# Altium PCB PCB.PcbDoc (continued)
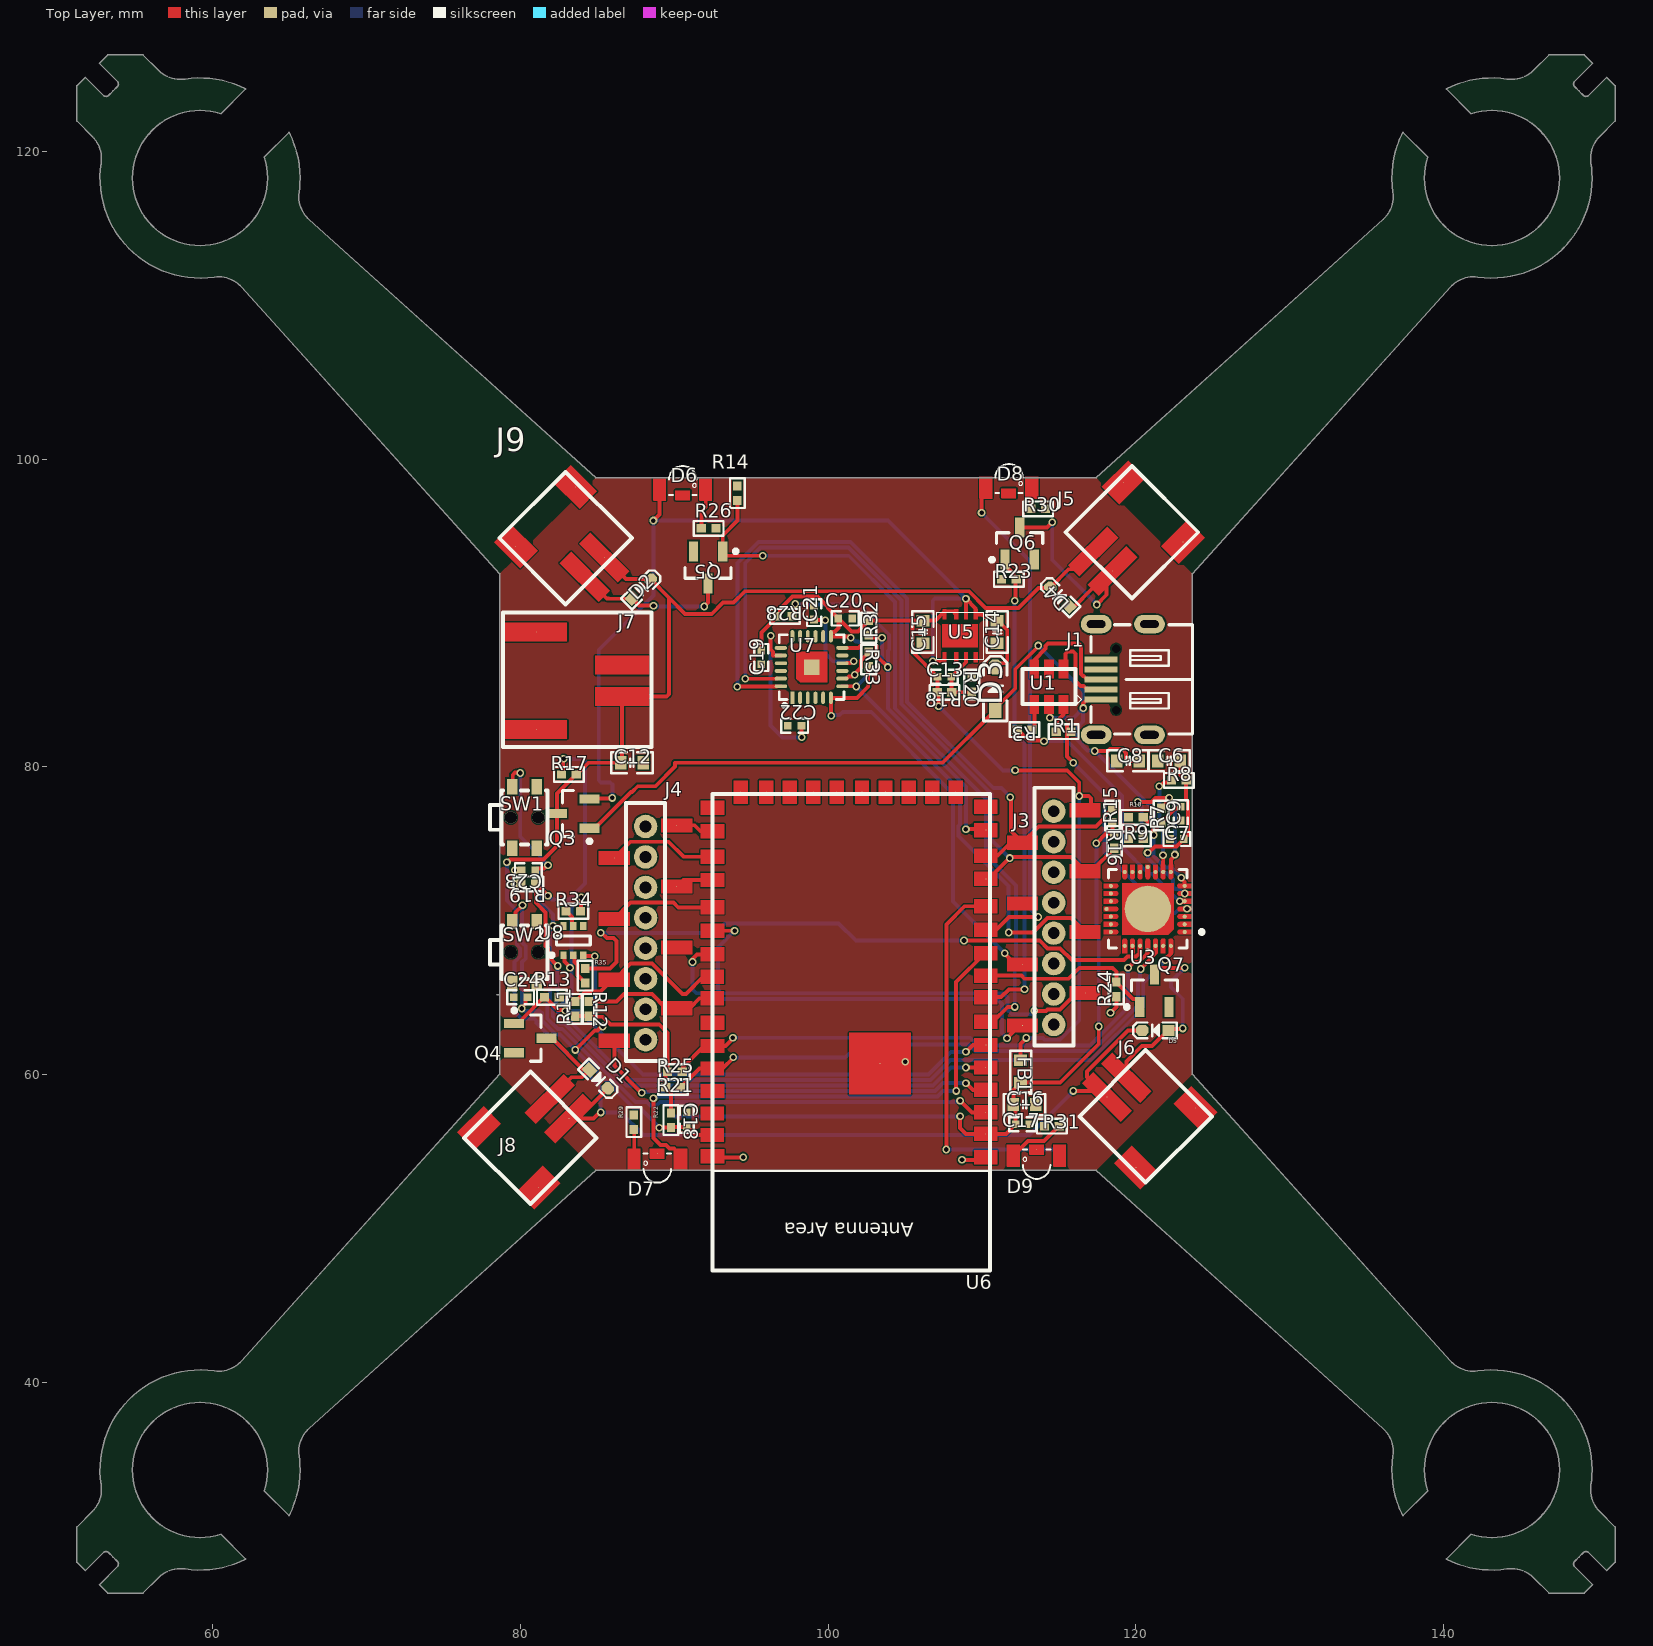
[diagram p0: Top Layer view]
## Footprints (in the part's own frame and the unit in brackets; to place one, negate y for a bottom-side part, rotate by r counter-clockwise, add the part's x,y. Pads: shape width x height; smd on the part's side, far side on the other; paste and mask are expansions set on the pad) (continued)
  Top Layer region: 2.875,-0.15 2.075,-0.15 2.018,-0.139 1.969,-0.106 1.936,-0.057 1.925,0 1.925,0 1.936,0.057 1.969,0.106 2.018,0.139 2.075,0.15 2.075,0.15 2.875,0.15
  Top Layer region: 2.875,0.35 2.075,0.35 2.018,0.361 1.969,0.394 1.936,0.443 1.925,0.5 1.925,0.5 1.936,0.557 1.969,0.606 2.018,0.639 2.075,0.65 2.075,0.65 2.875,0.65
  Top Layer region: 2.875,0.85 2.075,0.85 2.018,0.861 1.969,0.894 1.936,0.943 1.925,1 1.925,1 1.936,1.057 1.969,1.106 2.018,1.139 2.075,1.15 2.075,1.15 2.875,1.15
  Top Layer region: 2.875,1.35 2.075,1.35 2.018,1.361 1.969,1.394 1.936,1.443 1.925,1.5 1.925,1.5 1.936,1.557 1.969,1.606 2.018,1.639 2.075,1.65 2.075,1.65 2.875,1.65
  Top Layer region: -1.65,-2.875 -1.65,-2.075 -1.639,-2.018 -1.606,-1.969 -1.557,-1.936 -1.5,-1.925 -1.5,-1.925 -1.443,-1.936 -1.394,-1.969 -1.361,-2.018 -1.35,-2.075 -1.35,-2.075 -1.35,-2.875
  Top Layer region: -1.15,-2.875 -1.15,-2.075 -1.139,-2.018 -1.106,-1.969 -1.057,-1.936 -1,-1.925 -1,-1.925 -0.943,-1.936 -0.894,-1.969 -0.861,-2.018 -0.85,-2.075 -0.85,-2.075 -0.85,-2.875
  Top Layer region: -0.65,-2.875 -0.65,-2.075 -0.639,-2.018 -0.606,-1.969 -0.557,-1.936 -0.5,-1.925 -0.5,-1.925 -0.443,-1.936 -0.394,-1.969 -0.361,-2.018 -0.35,-2.075 -0.35,-2.075 -0.35,-2.875
  Top Layer region: -0.15,-2.875 -0.15,-2.075 -0.139,-2.018 -0.106,-1.969 -0.057,-1.936 0,-1.925 0,-1.925 0.057,-1.936 0.106,-1.969 0.139,-2.018 0.15,-2.075 0.15,-2.075 0.15,-2.875
  Top Layer region: 0.35,-2.875 0.35,-2.075 0.361,-2.018 0.394,-1.969 0.443,-1.936 0.5,-1.925 0.5,-1.925 0.557,-1.936 0.606,-1.969 0.639,-2.018 0.65,-2.075 0.65,-2.075 0.65,-2.875
  Top Layer region: 0.85,-2.875 0.85,-2.075 0.861,-2.018 0.894,-1.969 0.943,-1.936 1,-1.925 1,-1.925 1.057,-1.936 1.106,-1.969 1.139,-2.018 1.15,-2.075 1.15,-2.075 1.15,-2.875
  Top Layer region: 1.35,-2.875 1.35,-2.075 1.361,-2.018 1.394,-1.969 1.443,-1.936 1.5,-1.925 1.5,-1.925 1.557,-1.936 1.606,-1.969 1.639,-2.018 1.65,-2.075 1.65,-2.075 1.65,-2.875
  Top Layer region: 1.65,2.875 1.65,2.075 1.639,2.018 1.606,1.969 1.557,1.936 1.5,1.925 1.5,1.925 1.443,1.936 1.394,1.969 1.361,2.018 1.35,2.075 1.35,2.075 1.35,2.875
  Top Layer region: 1.15,2.875 1.15,2.075 1.139,2.018 1.106,1.969 1.057,1.936 1,1.925 1,1.925 0.943,1.936 0.894,1.969 0.861,2.018 0.85,2.075 0.85,2.075 0.85,2.875
  Top Layer region: 0.65,2.875 0.65,2.075 0.639,2.018 0.606,1.969 0.557,1.936 0.5,1.925 0.5,1.925 0.443,1.936 0.394,1.969 0.361,2.018 0.35,2.075 0.35,2.075 0.35,2.875
  Top Layer region: -0.85,2.875 -0.85,2.075 -0.861,2.018 -0.894,1.969 -0.943,1.936 -1,1.925 -1,1.925 -1.057,1.936 -1.106,1.969 -1.139,2.018 -1.15,2.075 -1.15,2.075 -1.15,2.875
  Top Layer region: -1.35,2.875 -1.35,2.075 -1.361,2.018 -1.394,1.969 -1.443,1.936 -1.5,1.925 -1.5,1.925 -1.557,1.936 -1.606,1.969 -1.639,2.018 -1.65,2.075 -1.65,2.075 -1.65,2.875
  Top Layer region: -1.675,1.325 -1.325,1.675 1.675,1.675 1.675,-1.675 -1.675,-1.675 -1.675,1.325
  silkscreen extent -3.63,-2.55 2.55,2.55, body extent -2.98,-2.97 2.98,2.98, height 0.25
L0603 [mm] "0603贴片叠层电感"
  rect 0.75x0.85 smd: 1(-0.725,0) 2(0.725,0)
  silkscreen extent -1.35,-0.69 1.35,0.69, body extent -0.8,-0.4 0.8,0.4, height 0.8
LED3010-S [mil]
  round 1 smd: 1(-59,15) 2(59,15) 3(0,0)
  Top Layer region: -43.25,42.56 -43.25,-12.56 -74.75,-12.56 -74.75,42.56
  Top Layer region: 43.25,42.56 74.75,42.56 74.75,-12.56 43.25,-12.56
  Top Layer region: -17.72,11.81 17.72,11.81 17.72,-11.81 -17.72,-11.81
  Top Layer lines w1.97: -74.75,-12.56 -43.25,-12.56 -43.25,42.56 -74.75,42.56 -74.75,-12.56 ; -17.72,-11.81 -17.72,11.81 17.72,11.81 17.72,-11.81 -17.72,-11.81 ; 43.25,-12.56 43.25,42.56 74.75,42.56 74.75,-12.56 43.25,-12.56
  silkscreen extent -35,0 35,75
ONSC-SOT-363-6-419B-02_W_V [mm] "SOT23, 6-Leads, Body 2x1.25mm, Pitch 0.65mm"
  rect 0.5x0.4 smd: 1(-0.95,0.65) 2(-0.95,0) 3(-0.95,-0.65) 4(0.95,-0.65) 5(0.95,0) 6(0.95,0.65)
  silkscreen extent -1.07,-1.1 0.3,1.52, body extent -0.63,-1 0.63,1, height 1.1
"QFN24 4x4_L" [mm] "24脚，长x宽x高：4x4x1mm，脚距：0.5mm"
  rect 0.25x0.8 smd: 1(-1.25,-2)
  oval 0.25x0.8 smd: 2(-0.75,-2) 3(-0.25,-2) 4(0.25,-2) 5(0.75,-2) 6(1.25,-2) 13(1.25,2) 14(0.75,2) 15(0.25,2) 16(-0.25,2) 17(-0.75,2) 18(-1.25,2)
  oval 0.8x0.25 smd: 7(2,-1.25) 8(2,-0.75) 9(2,-0.25) 10(2,0.25) 11(2,0.75) 12(2,1.25) 19(-2,1.25) 20(-2,0.75) 21(-2,0.25) 22(-2,-0.25) 23(-2,-0.75) 24(-2,-1.25)
  rect 1x1 smd: 25(0,0)
  Top Layer region: -1,1 1,1 1,-1 -0.75,-1 -1,-0.75
  silkscreen extent -2.11,-2.6 2.11,2.11, body extent -2.01,-2.01 2.01,2.01, height 1.03
R0402_M [mm] "1/16W贴片电阻"
  rect 0.6x0.55 smd: 1(-0.475,0) 2(0.475,0)
  silkscreen extent -0.97,-0.48 0.97,0.48, body extent -0.5,-0.25 0.5,0.25, height 0.3
SMG2205-ADJ [mil]
  round 1 smd: 1(40,55) 2(15,55) 3(-10,55) 4(-40,55) 5(40,-55) 6(15,-55) 7(-10,-55) 8(-40,-55) 9(0,0)
  Top Layer region: 10.28,-41.71 19.72,-41.71 19.72,-68.29 10.28,-68.29
  Top Layer region: -14.72,-41.71 -5.28,-41.71 -5.28,-68.29 -14.72,-68.29
  Top Layer region: -45.28,29.53 45.28,29.53 45.28,-29.53 -45.28,-29.53
  Top Layer region: -44.72,67.82 -44.72,42.19 -35.28,42.19 -35.28,67.82
  Top Layer region: -14.72,67.82 -14.72,42.19 -5.28,42.19 -5.28,67.82
  Top Layer region: 35.28,67.82 35.28,42.19 44.72,42.19 44.72,67.82
  Top Layer region: 10.28,67.82 10.28,42.19 19.72,42.19 19.72,67.82
  Top Layer region: -44.72,-41.71 -35.28,-41.71 -35.28,-68.29 -44.72,-68.29
  Top Layer region: 35.28,-41.71 44.72,-41.71 44.72,-68.29 35.28,-68.29
  silkscreen extent -60,-60 60,60
SOD-323 [mm] "1.8x1.3X0.9mm（长宽高，不包括引脚）联系卖家 免费人工查找封装"
  rect 1x0.8 smd: 1(-1.4,0)
  oct 1x0.8 smd: 2(1.4,0)
  silkscreen extent -2.11,-0.76 2.11,0.76, body extent -1.32,-0.65 1.32,0.65, height 0.95
SOD-523 [mm] "1.2x0.8X0.6mm（长宽高，不包括引脚）"
  rect 0.8x0.7 smd: 1(-0.85,0)
  oct 0.8x0.7 smd: 2(0.85,0)
  silkscreen extent -1.4,-0.51 1.45,0.51, body extent -0.8,-0.4 0.8,0.4, height 0.65
SOT-23-3 [mm] "SOT23, 3-Leads, Body 2.9x1.3mm, Pitch 0.95mm, Lead Span 2.4mm, IPC Medium Density"
  rect 0.6x1.3 smd: 1(-0.95,-1.05) 2(0.95,-1.05) 3(0,1.05)
  silkscreen extent -1.92,-1.18 1.5,0.7, body extent -1.5,-1.2 1.5,1.2, height 1.05
SW-SMD-3.5*3.0_4P [mm]
  rect 1x0.7 smd mask+0.051: 1(2,-0.8) 2(2,0.8) 3(-2,0.8) 4(-2,-0.8)
  round 0.8 hole 0.8 unplated mask+0: 5(0,-0.9) 6(0,0.9)
  silkscreen extent -1.75,-1.5 1.75,2.25, body extent -2.3,-1.51 2.3,2.24, height 1.33
USB2.0_MICRO-B_5 [mm] "micro型USB ，6.7*7.5*2.5mm封装库来自淘宝ID:黄晶宝石"
  rect 0.381x2.15 smd: 1(-1.3,3.16) 2(-0.65,3.16) 3(0,3.16) 4(0.65,3.16) 5(1.3,3.16)
  oval 1.2x2 hole 0.5 slot 1.2 at 90 deg: 6(-3.6,3.47) 7(3.6,3.47) 8(-3.6,0) 9(3.6,0)
  round 0 hole 0.55 unplated: 10(-2,2.17) 11(2,2.17)
  silkscreen extent -3.56,-2.79 3.56,4.81, body extent -3.98,-2.75 3.99,3.95, height 2.79
USBLC6-2SC6 [mil]
  round 1 smd: 1(34.8,45) 2(-2.6,45) 3(-40,45) 4(-40,-45.55) 5(-2.6,-45.55) 6(34.8,-45.55)
  Top Layer region: 9.21,68.62 9.21,21.38 -14.41,21.38 -14.41,68.62
  Top Layer region: 9.21,-21.93 9.21,-69.17 -14.41,-69.17 -14.41,-21.93
  Top Layer region: 46.61,68.62 46.61,21.38 22.99,21.38 22.99,68.62
  Top Layer region: -28.19,68.62 -28.19,21.38 -51.81,21.38 -51.81,68.62
  Top Layer region: -28.19,-21.93 -28.19,-69.17 -51.81,-69.17 -51.81,-21.93
  Top Layer region: 46.61,-21.93 46.61,-69.17 22.99,-69.17 22.99,-21.93
  silkscreen extent -70,-45 65,45

## Part data
C6 C7 C8 C9 C12 C13 C14 C15 C16 C17 C18 C19 C20 C21 C22 C23 C24: library part C, "贴片电容/MLCC电容", BOM名称=无极性贴片电容, 联系下单店铺卖家 免费帮你查找封装="联系下单店铺卖家 免费技术指导"
D1 D2 D4 D5: "开关二极管", BOM名称=高速开关二极管, 当前库版本V2024.5.31，下一版本发布时间2024年8月份 @淘宝卖家:黄晶宝石=最新版本发布网址https://item.taobao.com/item.htm?id=566775463719
D3: library part D-Schottky, "肖特基二极管", 当前库版本V2024.5.31，下一版本发布时间2024年8月份 @淘宝卖家:黄晶宝石=最新版本发布网址https://item.taobao.com/item.htm?id=566775463719
D6 D7 D8 D9: library part 发光二极管, "LED", 当前库版本V2024.5.31，下一版本发布时间2024年8月份 @淘宝卖家:黄晶宝石=最新版本发布网址https://item.taobao.com/item.htm?id=566775463719
FB1: library part FB, "贴片磁珠", BOM名称=直插磁珠, 联系下单店铺卖家 免费帮你查找封装="联系下单店铺卖家 免费技术指导"
J1: library part USB3.1_Micro-B, "USB3.1_Micro-B母座", 当前库版本V2024.5.31，下一版本发布时间2024年8月份 @淘宝卖家:黄晶宝石=最新版本发布网址https://item.taobao.com/item.htm?id=566775463719
J3 J4: library part "Header 8", "8P接插件", 封装库来自淘宝卖家：黄晶宝石=获取最新版本https://shop463601444.taobao.com, 联系下单店铺卖家 免费帮你查找封装="联系下单店铺卖家 免费技术支持"
J5 J6 J7 J8 J9: library part "Header 2", "2P接插件", BOM名称=2P接插件, 封装库来自淘宝卖家：黄晶宝石=获取最新版本https://shop463601444.taobao.com, 联系下单店铺卖家 免费帮你查找封装="联系下单店铺卖家 免费技术支持"
Q3: "P沟道 30V/4.2A", BOM名称=场效应管, 参数="P沟道 30V/4.2A", 当前库版本V2024.2.3 @淘宝卖家:黄晶宝石=最新版本发布https://item.taobao.com/item.htm?id=566775463719, 联系下单店铺卖家 免费帮你查找封装="联系下单店铺卖家 免费技术支持"
Q4 Q5 Q6 Q7: library part SI2302, BOM名称=N沟道场效应管, 当前库版本V2024.2.3 @淘宝卖家:黄晶宝石=最新版本发布https://item.taobao.com/item.htm?id=566775463719, 联系下单店铺卖家 免费帮你查找封装="联系下单店铺卖家 免费技术支持"
R1 R3 R7 R8 R9 R10 R11 R12 R13 R14 R15 R16 R17 R18 R19 R20 R21 R22 R23 R24 R25 R26 R28 R29 R30 R31 R32 R33 R34 R35: library part R, "贴片电阻", BOM名称=贴片电阻, 联系下单店铺卖家 免费帮你查找封装="联系下单店铺卖家 免费技术指导"
SW1 SW2: library part SW-PB4, "4脚微动开关", BOM名称=直插6x6轻触开关, 联系下单店铺卖家 免费技术支持="联系下单店铺卖家 免费帮你查找封装"
U3: library part CP2102-GMR, "USB转UART 桥接控制器", 封装库来自淘宝卖家：黄晶宝石="其他店铺购入均为盗版封装库，无更新权益，请立即申请退款，联系卖家：黄晶宝石 获取现金奖励200~5000元"
U5: "Vout=1.2(1+Ra/Rb)=3.3V"
U6: library part ESP32-S2
U7: "三轴加速度+三轴陀螺仪", BOM名称=MPU6050, 封装库来自淘宝卖家：黄晶宝石=其他店铺购入均为盗版封装库，无售后更新权益，请立即申请退款，退款现金奖励200~1000元
U8: library part CMP-013-00036-4, "ON Semi BC847BDW1T1G Dual NPN Bipolar Transistor; 0.1 A; 45 V; 6-Pin SC-88", Case/Package=SOT-363-6, Frequency=100MHz, Max Operating Temperature=150°C, Min Operating Temperature=-55°C, Pins=6

## Via types
v1: diameter 0.5, hole 0.3, Top Layer to Bottom Layer, 102 vias

## Nets (pads, with @x,y where several pads share a name; then routed paths per layer and width w, separated by ;. In a path a pad name is that pad's centre, name@x,y a point inside that pad or via, vN(x,y) a via of type N, cw(c..) or ccw(c..) an arc to the next point about the centre after c; other vN are vias at no path point)
ADC_BAT: R17.1 R19.2 U6.5 | length 54.4
  Top Layer w0.254: v1(81.788,71.628) 81.78,71.628 81.018,72.39 R19.2 80.993,71.187 81.641,70.539 81.641,68.355 81.791,68.205 81.791,67.688 v1(82.423,67.056) ; R17.1 82.757,79.582 82.757,80.471 v1(82.804,80.518) ; v1(108.966,60.452) U6.5
  Bottom Layer w0.254: v1(81.788,71.628) 82.042,71.374 83.185,71.374 83.467,71.656 83.467,71.696 84.161,72.39 84.179,72.39 84.201,72.412 84.201,80.369 84.052,80.518 v1(82.804,80.518) ; v1(82.423,67.056) 82.423,64.802 82.1,64.479 82.1,63.791 82.587,63.304 82.866,63.304 86.888,59.282 106.819,59.282 107.989,60.452 v1(108.966,60.452)
AUX_SCL: J3.5 R32.2 U7.7 | length 31.7
  Top Layer w0.254: U7.7 101.834,85.237 v1@101.854,85.217 ; R32.2 102.648,88.548 102.796,88.4 102.821,88.4 102.829,88.392 v1(103.505,88.392) ; v1(111.745,69.23) 113.323,69.23 114.271,70.179 115.788,70.179 J3.5
  Bottom Layer w0.254: v1(103.505,88.392) 103.505,86.888 v1(101.844,85.227) 108.585,78.486 108.585,76.24 108.489,76.144 108.489,75.504 111.745,72.248 v1(111.745,69.23)
AUX_SDA: J3.6 R33.2 U7.6 | length 28.6
  Top Layer w0.254: v1(100.203,83.312) 100.203,83.943 100.185,83.961 100.185,84.485 U7.6 101.886,84.487 102.616,85.217 102.616,86.476 R33.2 ; v1@111.506,67.818 112.18,67.144 J3.6
  Bottom Layer w0.254: v1(100.203,83.312) 100.25,83.359 100.754,83.359 100.961,83.566 102.812,83.566 108.135,78.243 108.135,71.238 v1(111.498,67.875)
BUZ_1: J3.8 U6.33 | length 27.6
  Top Layer w0.254: v1(91.186,67.31) 91.186,67.513 91.48,67.807 U6.33 ; v1(111.633,62.357) 112.458,63.182 J3.8
  Bottom Layer w0.254: v1(91.186,67.31) 91.186,65.532 91.44,65.278 92.59,65.278 92.971,64.897 110.998,64.897 111.31,64.585 111.31,62.68 v1(111.633,62.357)
BUZ_2: J3.7 U6.32 | length 31.2
  Top Layer w0.254: U6.32 v1@93.853,69.342 ; v1(113.411,64.135) 114.171,64.135 114.271,64.235 115.087,64.235 116.144,65.291 J3.7
  Bottom Layer w0.254: v1(93.924,69.346) 92.837,68.259 92.837,65.532 93.091,65.278 111.379,65.278 111.664,64.993 111.664,64.191 111.943,63.912 113.188,63.912 v1(113.411,64.135)
CP_DTR: R34.1 U3.28 U8.1 | length 56.7
  Top Layer w0.254: U8.1 82.862,67.684 82.862,67.356 83.222,66.996 v1(83.222,66.929) ; R34.1 83.931,70.628 83.931,71.485 v1(83.947,71.501) ; v1(121.92,67.437) 121.92,67.504 122.287,67.871 122.287,68.36 U3.28
  Bottom Layer w0.254: v1(83.222,66.929) v1@83.312,66.929 ; v1(83.947,71.501) 83.312,70.866 v1@83.312,66.929 ; v1(121.92,67.437) 121.92,67.375 120.496,65.951 120.496,64.337 117.088,60.929 107.966,60.929 106.673,59.636 87.034,59.636 83.012,63.658 82.733,63.658 82.454,63.937 82.454,64.333 83.312,65.191 v1@83.312,66.929
CP_RTS: R35.2 U3.24 U8.4 | length 41.5
  Top Layer w0.254: R35.2 85.819,66.896 86.233,67.31 86.233,68.685 86.053,68.865 85.634,68.865 85.284,69.215 v1(85.217,69.215) ; v1(108.839,68.707) 113.765,68.707 114.275,68.197 115.091,68.197 115.849,67.439 119.249,67.439 119.471,67.661 120.034,67.661 120.269,67.896 120.269,68.072
  Bottom Layer w0.254: v1(85.217,69.215) 85.241,69.191 92.65,69.191 93.282,69.823 100.692,69.823 101.807,68.707 v1(108.839,68.707)
CP_RXD: R25.1 U3.25 U6.37 | length 35.8
  Top Layer w0.254: R25.1 90.551,60.206 90.551,60.452 91.948,61.849 U6.37 93.345,61.849 v1@93.853,62.357 ; v1(119.507,66.929) 119.885,67.307 120.181,67.307 120.398,67.524 120.427,67.524 120.644,67.741 ; 120.644,67.743 120.787,67.886 120.787,68.085 U3.25
  Bottom Layer w0.254: v1(93.815,62.385) 109.224,62.385 109.729,61.88 117.038,61.88 119.507,64.349 v1(119.507,66.929)
CP_TXD: R21.1 U3.26 U6.38 | length 36.2
  Top Layer w0.254: R21.1 90.416,59.157 91.642,60.383 U6.38 93.149,60.383 v1@93.853,61.087 ; v1(120.335,66.856) 120.335,66.871 120.998,67.534 120.998,67.596 121.29,67.888
  Bottom Layer w0.254: v1(93.839,61.11) 101.117,61.11 101.952,61.945 109.164,61.945 109.583,61.526 117.184,61.526 120.142,64.484 120.142,66.098 120.288,66.244 120.288,66.809 v1(120.335,66.856)
ESP_EN: C18.2 C24.2 R22.1 SW2.2 U6.41 U8.3 | length 33.2
  Top Layer w0.254: SW2.2 79.687,70.168 79.687,70.543 v1(80.137,70.993) ; v1(80.091,64.286) 80.091,64.353 80.337,64.599 80.337,64.901 C24.2 ; v1(83.566,61.595) 84.834,62.863 85.022,62.863 85.277,63.119 v1(85.344,63.119) ; U8.3 84.155,67.691 v1(84.836,67.691) ; v1@89.06,56.548 R22.1 89.836,56.595 90.758,56.595 C18.2 91.382,56.065 U6.41
  Bottom Layer w0.254: v1(80.091,64.286) 80.114,64.309 80.114,67.308 80.345,67.539 80.345,68.351 80.114,68.582 80.114,70.97 v1(80.137,70.993) ; v1@80.137,64.262 80.264,64.135 81.258,64.135 81.392,64.001 81.392,63.498 82.294,62.596 82.572,62.596 87.325,57.843 87.733,57.843 v1(89.033,56.543) ; v1(84.836,67.691) 84.836,63.627 v1(85.344,63.119)
ESP_IO0: C23.2 SW1.2 U6.3 U8.6 | length 51.5
  Top Layer w0.254: SW1.2 79.502,78.746 79.502,79.48 79.651,79.629 79.968,79.629 v1(79.996,79.601) ; C23.2 81.091,73.402 81.529,73.402 81.723,73.596 v1(81.789,73.596) ; v1(82.118,69.666) 82.122,69.661 82.785,69.661 U8.6 ; v1(108.585,58.293) 109.347,57.531 U6.3
  Bottom Layer w0.254: v1@80.01,79.502 79.991,79.483 79.991,75.466 81.289,74.168 81.289,74.096 v1(81.789,73.596) ; v1@81.661,73.533 81.28,73.152 81.28,71.247 82.112,70.415 v1@82.112,69.666 ; v1(82.118,69.666) v1@82.112,69.666 ; v1(108.585,58.293) 108.538,58.246 108.364,58.246 108.315,58.197 89.067,58.197 88.844,57.974 88.448,57.974 88.225,58.197 87.472,58.197 82.719,62.95 82.44,62.95 81.746,63.644 81.746,64.626 81.915,64.795 81.915,69.469 v1@82.112,69.666
EXT_IO1: J4.8 U6.4 | length 27
  Top Layer w0.254: J4.8 86.106,60.579 v1(87.884,58.801) ; v1(108.966,59.436) 108.98,59.436 109.419,58.997 U6.4
  Bottom Layer w0.254: v1(87.884,58.801) 87.931,58.848 88.368,58.848 88.448,58.928 106.966,58.928 107.474,59.436 v1(108.966,59.436)
GND: C6.1 C7.1 C8.1 C9.1 C12.1 C14.1 C15.1 C16.1 C17.1 C18.1 C19.1 C20.1 C21.1 C22.2 C23.1 C24.1 J1.5 J1.6 J1.7 J1.8 J1.9 J3.4 J4.5 J7.2 Q4.2 Q5.2 Q6.2 Q7.2 R9.1 R10.1 R13.1 R14.1 R19.1 R20.1 R23.1 R24.1 R26.2 R29.2 R30.2 R31.2 SW1.4 SW2.4 U1.2 U3.3 U3.29 U5.7 U5.9 U6.1 U6.26 U6.42 U6.43 U7.1 U7.9 U7.11 U7.18 | length 4.8
  Top Layer w0.254: U6.42 92.557,54.61 v1(94.488,54.61) ; v1(108.709,54.448) 110.094,54.448 U6.1 ; v1(118.364,64.008) 118.745,64.389 R24.1
  other v1: 105.029,60.833 79.598,72.39 79.643,73.279
I2C0_SCL: J3.3 R16.2 U6.13 U7.23 | length 51.1
  Top Layer w0.254: v1(94.615,85.725) 96.65,85.725 U7.23@96.66,85.735 ; U6.13 110.432,72.713 v1@111.76,74.041 ; v1(111.811,74.068) 111.877,74.068 111.951,74.141 115.788,74.141 J3.3 117.125,73.216 R16.2
  Bottom Layer w0.254: v1(94.615,85.725) 94.615,93.258 95.613,94.256 101.324,94.256 104.775,90.805 104.775,84.074 110.622,78.227 110.622,75.256 v1(111.811,74.068)
I2C0_SDA: J3.2 R15.2 U6.14 U7.24 | length 52.8
  Top Layer w0.254: v1(94.107,85.217) 96.642,85.217 96.662,85.237 U7.24 ; U6.14 111.037,74.226 111.88,75.069 J3.2 ; v1@111.887,77.978 111.887,75.831 J3.2 ; R15.2 117.94,76.759 117.94,76.639 117.423,76.122 113.702,76.122 J3.2
  Bottom Layer w0.254: v1(94.107,85.217) 94.107,93.25 95.467,94.61 101.471,94.61 105.129,90.952 105.129,84.228 110.744,78.613 111.267,78.613 v1(111.856,78.024)
I2C1_SCL: J4.7 R12.2 U6.35 | length 8.9
  Top Layer w0.254: R12.2 86.245,64.737 86.733,65.226 88.548,65.226 89.473,64.301 J4.7 90.996,64.301 91.65,64.955 U6.35
I2C1_SDA: J4.6 R11.2 U6.34 | length 11.2
  Top Layer w0.254: R11.2 83.566,64.744 84.227,65.405 85.217,65.405 85.966,66.154 J4.6 87.159,67.207 88.548,67.207 90.526,65.229 90.756,65.229 91.879,66.352 U6.34
LED_BLE: D7.1 U6.10 | length 33.9
  Top Layer w0.254: v1(88.646,58.451) 88.646,55.88 89.11,55.416 89.454,55.416 89.687,55.183 89.999,55.183 ; v1(108.331,58.928) 108.331,66.017 110.19,67.876 U6.10
  Bottom Layer w0.254: v1(88.646,58.451) 88.693,58.498 88.867,58.498 88.943,58.574 107.113,58.574 107.467,58.928 v1(108.331,58.928)
LED_GRN: D9.1 U6.12 | length 25.1
  Top Layer w0.254: v1(107.696,55.118) 107.696,69.753 108.878,70.935 U6.12
  Bottom Layer w0.254: v1(107.696,55.118) 115.062,55.118
LED_RED: D8.1 U6.11 | length 33.3
  Top Layer w0.254: v1(109.982,96.52) 109.982,97.892 D8.1 ; U6.11 110.94,69.411 111.768,70.239 v1(113.657,70.239)
  Bottom Layer w0.254: v1(109.982,96.52) 113.13,93.372 113.13,70.766 v1(113.657,70.239)
MOT_1: Q6.1 R23.2 U6.8 | length 31.3
  Top Layer w0.254: U6.8 111.252,65.024 111.76,65.532 v1(112.776,65.532) ; Q6.1 111.511,93.122 112.062,92.571 112.062,92.35 112.21,92.202 R23.2 112.188,92.155 112.188,90.852 v1(112.141,90.805)
  Bottom Layer w0.254: v1(112.141,90.805) 112.116,90.78 112.116,82.194 112.776,81.534 v1(112.776,65.532)
MOT_2: Q7.1 R24.2 U6.9 | length 12.1
  Top Layer w0.254: U6.9 112.573,66.421 112.774,66.219 115.622,66.219 116.332,66.929 118.491,66.929 118.745,66.675 R24.2 118.745,65.982 119.815,64.912 120.101,64.912 120.274,64.739 Q7.1
MOT_3: Q4.1 R13.2 U6.6 | length 34.3
  Top Layer w0.254: Q4.1 79.945,63.307 80.118,63.48 80.118,63.6 81.542,65.024 R13.2 ; R13.2@81.592,65.024 82.434,64.182 82.884,64.182 v1(82.931,64.135) ; v1(108.966,61.468) 109.416,61.918 U6.6
  Bottom Layer w0.254: v1(82.931,64.135) 83.813,64.135 87.958,59.99 106.526,59.99 108.004,61.468 v1(108.966,61.468)
MOT_4: Q5.1 R14.2 U6.7 | length 48.1
  Top Layer w0.254: Q5.1@93.152,93.899 93.325,93.726 v1(95.758,93.726) ; Q5.1 93.152,95.05 94.107,96.005 R14.2 ; U6.7 110.725,63.431 111.684,64.389 v1(112.141,64.389)
  Bottom Layer w0.254: v1(95.758,93.726) 101.346,93.726 104.363,90.709 104.363,83.811 110.268,77.906 110.268,74.226 112.222,72.272 112.222,66.982 112.141,66.901 v1(112.141,64.389)
MPU_INT: R28.1 U6.15 U7.12 | length 27.9
  Top Layer w0.254: R28.1 97.68,89.777 97.828,89.925 97.828,90.54 v1(97.875,90.587) ; U7.12 101.988,87.737 102.236,87.985 103.017,87.985 103.15,87.852 103.15,87.223 v1(103.886,86.487) ; v1(108.966,75.946) 109.621,75.946 109.679,75.888 U6.15
  Bottom Layer w0.254: v1@97.917,90.551 102.021,90.551 103.982,88.59 103.982,87.62 103.886,87.524 v1(103.886,86.487) 103.886,83.788 108.966,78.708 v1(108.966,75.946)
NetC13_1: C13.1 R18.1 R20.2 U5.6 | length 4
  Top Layer w0.254: U5.6 108.966,86.799 C13.1 108.032,85.84 108.032,84.848 R18.1 108.061,84.852 109.331,84.852 R20.2
NetC21_2: C21.2 U7.10 | length 5.5
  Top Layer w0.254: C21.2 99.115,89.558 99.799,89.558 v1(99.822,89.535) ; U7.10@101.206,86.739 101.467,86.739 101.597,86.87 v1(101.664,86.87)
  Bottom Layer w0.254: v1(99.822,89.535) 99.822,87.376 100.33,86.868 101.662,86.868 v1(101.664,86.87)
NetC22_1: C22.1 U7.20 | length 10.8
  Top Layer w0.254: v1(96.266,88.519) 96.266,87.631 96.417,87.48 96.417,87.235 96.931,87.235 U7.20 ; C22.1 98.282,82.655 98.282,81.925 v1(98.293,81.915)
  Bottom Layer w0.254: v1(96.266,88.519) 96.266,82.677 97.028,81.915 v1(98.293,81.915)
NetC27_1: 
NetC28_1: 
NetC32_2: 
NetC33_2: 
NetC34_2: 
NetD1_1: D1.1 J8.2 Q4.3 | length 7
  Top Layer w0.254: Q4.3 82.045,62.357 84.076,60.326 84.454,60.326 D1.1 84.015,59.817 83.325,59.817 J8.2
NetD2_1: D2.1 J9.1 Q5.3 | length 10.1
  Top Layer w0.254: J9.1 85.611,90.932 85.725,90.932 85.726,90.931 87.248,90.931 87.697,90.481 v1(88.65,90.481) ; v1(91.948,90.424) 92.202,90.678 Q5.3
  Bottom Layer w0.254: v1@88.646,90.424 v1(91.948,90.424)
NetD4_1: D4.1 J5.2 Q6.3 | length 15.2
  Top Layer w0.254: Q6.3 114.241,95.572 v1@114.554,95.885 ; D4.1 115.698,90.423 116.014,90.423 117.17,91.579 117.347,91.579 J5.2 118.11,92.342 118.11,91.186 v1(117.475,90.551)
  Bottom Layer w0.254: v1(114.577,95.9) 114.577,93.449 v1(117.475,90.551)
NetD5_1: D5.1 J6.1 Q7.3 | length 12.5
  Top Layer w0.254: J6.1 119.393,60.846 120.396,61.849 121.069,61.849 122.085,62.865 D5.1 122.215,62.945 123.016,62.945 v1(123.063,62.992) ; Q7.3 121.224,66.756 121.397,66.929 v1(123.19,66.929)
  Bottom Layer w0.254: v1(123.063,62.992) 123.063,64.921 122.301,65.683 122.301,66.04 v1(123.19,66.929)
NetD6_2: D6.2 R26.1 | length 2.7
  Top Layer w0.254: R26.1 91.76,96.617 92.05,96.906 D6.2
NetD7_2: D7.2 R29.1 | length 1.9
  Top Layer w0.254: R29.1 87.401,56.396 D7.2
NetD8_2: D8.2 R30.1 | length 1.4
  Top Layer w0.254: R30.1 113.19,98.102 D8.2
NetD9_2: D9.2 R31.1 | length 3.8
  Top Layer w0.254: D9.2 112.998,55.67 114.032,55.67 115.004,56.642 R31.1
NetD10_1: 
NetJ1_2: J1.2 U1.1 | length 5.5
  Top Layer w0.254: U1.1 115.443,86.492 115.443,87.354 115.592,87.503 115.939,87.503 116.088,87.354 116.088,85.583 116.407,85.263 116.627,85.263 116.859,85.031 J1.2
NetJ1_3: J1.3 U1.3 | length 7.5
  Top Layer w0.254: U1.3 113.411,86.955 114.142,87.686 114.142,87.862 114.291,88.011 116.293,88.011 116.442,87.862 116.442,86.046 116.575,85.914 116.627,85.914 116.859,85.681 J1.3
NetR1_1: R1.1 U1.6 | length 2
  Top Layer w0.254: R1.1 114.863,82.318 114.863,82.952 115.311,83.4 U1.6
NetR3_1: R3.1 U1.4 | length 1.7
  Top Layer w0.254: R3.1 113.263,82.423 113.411,82.571 U1.4
NetR7_2: R7.2 R9.2 U3.8 | length 10.7
  Top Layer w0.254: v1(120.142,77.724) 121.031,77.724 121.285,77.978 v1(122.174,77.978) 122.127,77.931 122.127,77.796 121.666,77.335 R7.2 ; v1(120.396,75.946) 120.49,75.852 R9.2 ; U3.8 122.29,73.963 122.555,74.228 v1(122.555,74.295)
  Bottom Layer w0.254: v1(120.142,77.724) 120.396,77.47 v1(120.396,75.946) ; v1(122.174,77.978) 122.555,77.597 v1(122.555,74.295)
NetR8_1: R8.1 U3.9 | length 6.5
  Top Layer w0.254: v1(121.539,78.74) 121.606,78.74 121.839,78.973 122.186,78.973 R8.1 ; U3.9 121.79,73.817 121.793,73.82 v1@121.793,74.168
  Bottom Layer w0.254: v1(121.539,78.74) 121.539,76.619 121.777,76.381 v1(121.777,74.26)
NetR34_2: R34.2 U8.5 | length 1.2
  Top Layer w0.254: R34.2 82.989,70.612 83.366,70.235 83.366,69.73 U8.5
NetR35_1: R35.1 U8.2 | length 2.1
  Top Layer w0.254: U8.2 83.512,67.684 83.512,67.314 83.699,67.127 83.699,66.473 84.201,65.971 R35.1
NetR38_1: 
NetR39_2: 
NetR40_2: 
SPI_CLK: J4.3 U6.30 | length 2.5
  Top Layer w0.254: J4.3 90.589,72.644 U6.30
SPI_CS0: J4.1 U6.28 | length 2.5
  Top Layer w0.254: J4.1 90.182,76.2 91.313,76.2 91.694,75.819 U6.28
SPI_MISO: J4.4 U6.31 | length 6.9
  Top Layer w0.254: J4.4 87.159,71.169 89.957,71.169 90.26,70.866 U6.31
SPI_MOSI: J4.2 U6.29 | length 7.2
  Top Layer w0.254: J4.2 87.159,75.132 89.621,75.132 90.595,74.157 U6.29
USB_DM: R1.2 U3.4 | length 16.4
  Top Layer w0.254: 115.537,82.677 115.537,80.678 v1(115.951,80.264)
  Bottom Layer w0.254: v1(115.951,80.264) 117.983,78.232 117.983,74.422 121.92,70.485 122.555,70.485 122.786,70.716 123.293,70.716 v1(123.34,70.763)
USB_DP: R3.2 U3.5 | length 17.5
  Top Layer w0.254: R3.2 112.326,82.423 113.041,81.708 113.992,81.708 v1(114.039,81.661) ; v1(122.858,71.263) 122.935,71.186 122.942,71.186 123.016,71.26 123.187,71.26 U3.5
  Bottom Layer w0.254: v1@114.046,81.661 115.57,81.661 119.11,78.121 119.11,74.792 120.852,73.051 121.07,73.051 v1(122.858,71.263)
VBAT: C12.2 D1.2 D2.2 D4.2 D5.2 J5.1 J6.2 J7.1 J8.1 J9.2 Q3.3 R17.2 | length 127.5
  Top Layer w0.254: v1(79.121,73.787) 79.315,73.981 81.508,73.981 82.389,74.862 Q3.3 82.389,78.264 83.454,79.329 83.454,79.354 83.602,79.502 R17.2 ; J8.1 83.739,57.137 ; R17.2@83.652,79.502 84.414,80.264 C12.2 86.614,80.354 J7.1 89.513,84.582 89.662,84.731 89.662,90.991 ; v1(85.217,57.531) 85.15,57.531 84.757,57.137 83.739,57.137 ; J9.2 86.855,92.202 88.451,92.202 D2.2 89.662,90.991 ; D1.2 83.739,57.137 ; v1(115.951,58.928) 117.742,58.928 ; J5.1 116.098,92.844 115.645,92.844 D4.2 114.425,91.624 113.673,91.624 112.377,90.328 110.245,90.328 109.155,91.418 94.593,91.418 93.853,90.678 93.167,90.678 92.436,89.947 90.706,89.947 89.662,90.991 ; J6.2 117.742,58.928 ; D5.2 119.507,62.865 116.84,60.198 116.84,59.83 117.742,58.928
  Bottom Layer w0.254: v1(79.121,73.787) 79.121,71.295 79.76,70.656 79.76,68.436 79.991,68.205 79.991,67.685 79.614,67.308 79.614,64.088 80.075,63.627 80.889,63.627 81.038,63.478 81.038,63.351 85.217,59.172 v1(85.217,57.531) 86.525,57.531 87.989,56.066 113.089,56.066 v1(115.951,58.928)
VBUS: C8.2 C9.2 D3.1 J1.1 Q3.1 R7.1 R10.2 U1.5 U3.7 | length 67.3
  Top Layer w0.254: Q3.1 84.839,76.012 87.186,78.359 87.249,78.359 87.63,78.74 88.773,78.74 90.043,80.01 90.043,80.264 107.445,80.264 110.498,83.317 110.598,83.317 110.871,83.59 D3.1 ; D3.1@110.871,83.79 112.175,85.094 112.175,86.345 113.665,87.835 v1(113.665,87.884) ; U1.5 114.427,83.994 v1(114.427,83.185) ; v1(116.586,83.82) 116.586,84.108 116.859,84.381 J1.1 ; v1(117.348,81.026) 118.214,81.026 118.341,81.153 119.141,81.153 119.384,80.91 119.384,80.54 119.533,80.391 C8.2 ; R10.2 120.515,76.708 121.137,76.086 121.137,75.9 ; v1(121.184,75.571) 121.231,75.618 121.231,75.9 121.666,76.335 R7.1 121.666,76.385 122.57,77.289 122.813,77.289 C9.2 ; v1@123.063,72.644 123.187,72.52 123.187,72.266 U3.7
  Bottom Layer w0.254: v1(113.665,87.884) 116.586,84.963 v1(116.586,83.82) ; v1(114.427,83.185) 115.951,83.185 v1(116.586,83.82) ; v1@121.158,75.565 121.158,74.204 121.91,73.451 122.3,73.451 v1(122.958,72.794) ; v1(121.184,75.571) 121.184,77.19 v1(117.348,81.026) 117.301,81.073 116.872,81.073 116.207,81.738 116.207,82.556 116.586,82.935 v1(116.586,83.82)
VDD33: C13.2 C15.2 C19.2 C20.2 FB1.1 J3.1 R18.2 R28.2 R32.1 R33.1 U5.3 U5.4 U7.8 U7.13 | length 65.5
  Top Layer w0.254: C19.2 95.663,88.728 96.539,89.604 96.539,89.629 96.687,89.777 R28.2 ; R28.2@96.737,89.777 96.885,89.925 96.885,90.271 97.677,91.064 99.33,91.064 99.994,90.401 99.994,90.33 C20.2 ; U7.8@101.206,85.739 101.352,85.885 101.566,85.885 101.66,85.979 v1(101.727,85.979) 101.727,86.044 102.141,86.458 102.141,86.926 102.648,87.433 R33.1 ; v1(101.473,88.392) 101.406,88.392 101.311,88.487 U7.13 100.183,88.758 100.185,88.76 100.415,88.76 100.674,89.019 C20.2 ; v1(107.188,83.947) 107.188,84.742 R18.2 107.107,84.849 107.107,85.839 C13.2 105.486,87.485 105.486,89.51 ; U5.4 107.569,90.115 ; U5.3 108.132,90.115 107.569,90.115 ; v1(112.16,79.772) 115.554,79.772 116.332,78.994 v1(116.332,78.105) 116.945,78.105 117.094,77.956 117.094,77.559 J3.1 ; FB1.1 112.522,61.976 v1@112.903,62.357 ; C20.2 101.528,88.796 101.946,88.796 102.66,89.51 105.486,89.51 ; 105.486,89.51 106.16,89.51 C15.2 106.198,89.524 106.978,89.524 107.569,90.115
  Bottom Layer w0.254: v1(101.473,88.392) 101.54,88.392 101.774,88.158 101.961,88.158 102.141,87.978 102.141,86.458 101.727,86.044 v1(101.727,85.979) ; v1(107.188,83.947) 111.379,79.756 v1@112.141,79.756 ; v1(112.89,62.374) 113.965,62.374 114.083,62.257 115.091,62.257 116.332,63.498 v1(116.332,78.105)
VDD33_ESP: C16.2 C17.2 FB1.2 R11.1 R12.1 R15.1 R16.1 R21.2 R22.2 R25.2 U6.2 | length 59.9
  Top Layer w0.254: R11.1 R12.1 84.488,63.754 85.344,63.754 85.852,63.246 89.027,63.246 89.568,62.705 R25.2 89.441,60.046 R21.2 89.789,58.809 R22.2 ; v1(108.585,57.277) 108.585,56.515 108.966,56.134 U6.2 111.564,56.134 C17.2 112.199,57.891 C16.2 112.051,59.002 FB1.2 115.099,59.473 117.602,61.976 v1(117.602,63.119) ; v1(117.444,75.026) 118.077,75.659 R16.1 118.491,75.786 R15.1
  Bottom Layer w0.254: 89.789,57.498 90.01,57.277 v1(108.585,57.277) ; v1(117.444,75.026) 117.444,68.994 117.602,68.836 v1(117.602,63.119)
VDD_CP: C6.2 C7.2 R8.2 U3.6 | length 12.1
  Top Layer w0.254: v1(120.777,74.422) 120.844,74.422 121.25,74.829 122.65,74.829 C7.2 123.413,75.592 123.413,77.756 123.284,77.885 R8.2 123.259,79.121 122.899,79.481 C6.2
  Bottom Layer w0.254: v1@120.804,74.422 120.804,74.057 121.764,73.097 122.005,73.097 122.426,72.676 122.426,72.218 122.575,72.069 122.818,72.069 123.123,71.763 v1(123.19,71.763)
Vout: 
VSYS: C14.2 D3.2 D6.1 Q3.2 U5.1 U5.2 U5.8 | length 61.1
  Top Layer w0.254: Q3.2 84.522,77.945 85.946,77.945 v1(85.979,77.978) ; v1(88.646,96.012) 89.052,96.418 D6.1 ; v1(106.807,86.868) 107.42,86.868 107.569,87.017 U5.8 ; U5.2 v1(108.966,90.932) 109.601,90.297 U5.1 110.022,89.916 110.192,89.746 110.75,89.746 C14.2 111.048,89.498 111.65,88.896 111.65,86.915 111.472,86.737 111.118,86.737 D3.2
  Bottom Layer w0.254: v1(85.979,77.978) 85.979,78.845 85.83,78.994 85.239,78.994 85.09,79.143 85.09,87.595 88.646,91.151 v1(88.646,96.012) 103.886,96.012 v1(108.966,90.932) 106.956,90.932 106.807,90.783 v1(106.807,86.868)
pads on no net: D6.3 D7.3 D8.3 D9.3 J1.4 J1.10 J1.11 J3.9 J3.10 J3.11 J3.12 J3.13 J3.14 J3.15 J3.16 J4.9 J4.10 J4.11 J4.12 J4.13 J4.14 J4.15 J4.16 J5.3 J5.4 J6.3 J6.4 J7.3 J7.4 J8.3 J8.4 J9.3 J9.4 SW1.1 SW1.3 SW1.5 SW1.6 SW2.1 SW2.3 SW2.5 SW2.6 U3.1 U3.2 U3.10 U3.11 U3.12 U3.13 U3.14 U3.15 U3.16 U3.17 U3.18 U3.19 U3.20 U3.21 U3.22 U3.23 U3.27 U5.5 U6.16 U6.17 U6.18 U6.19 U6.20 U6.21 U6.22 U6.23 U6.24 U6.25 U6.27 U6.36 U6.39 U6.40 U7.2 U7.3 U7.4 U7.5 U7.14 U7.15 U7.16 U7.17 U7.19 U7.21 U7.22 U7.25

## Polygon pours and split planes (outlines as drawn)
no net on Top Layer "NONET_L01_P002" (solid, pour order 2): 84.91,98.79 78.661,92.541 78.661,60.026 84.903,53.784 117.428,53.784 123.665,60.021 123.67,60.021 123.67,92.536 123.674,92.541 117.432,98.783 84.908,98.783
no net on Bottom Layer "NONET_L02_P003" (solid, pour order 3): 84.908,98.783 78.666,92.541 78.661,92.541 78.661,60.025 84.91,53.777 117.421,53.777 123.668,60.023 123.668,92.544 117.426,98.786 117.426,98.79 84.91,98.79

## Silkscreen, mask and mechanical layers (free items; w line width, h text height)
Mechanical 3:
  circle w0.006: c123.668,60.023 r0.003
  circle w0.006: c78.668,60.023 r0.003
  circle w0.006: c151.168,123.136 r0.003
  circle w0.006: c51.168,123.136 r0.003
Mechanical 10:
  drawing of 185 lines, arcs and shapes, not listed

## Text inside footprints (layer, text, board x,y; h text height)
U6: Top Overlay "Antenna Area" at 105.569,50.657 h1.52 r180